# KiCad board corne-light.kicad_pcb (continued)
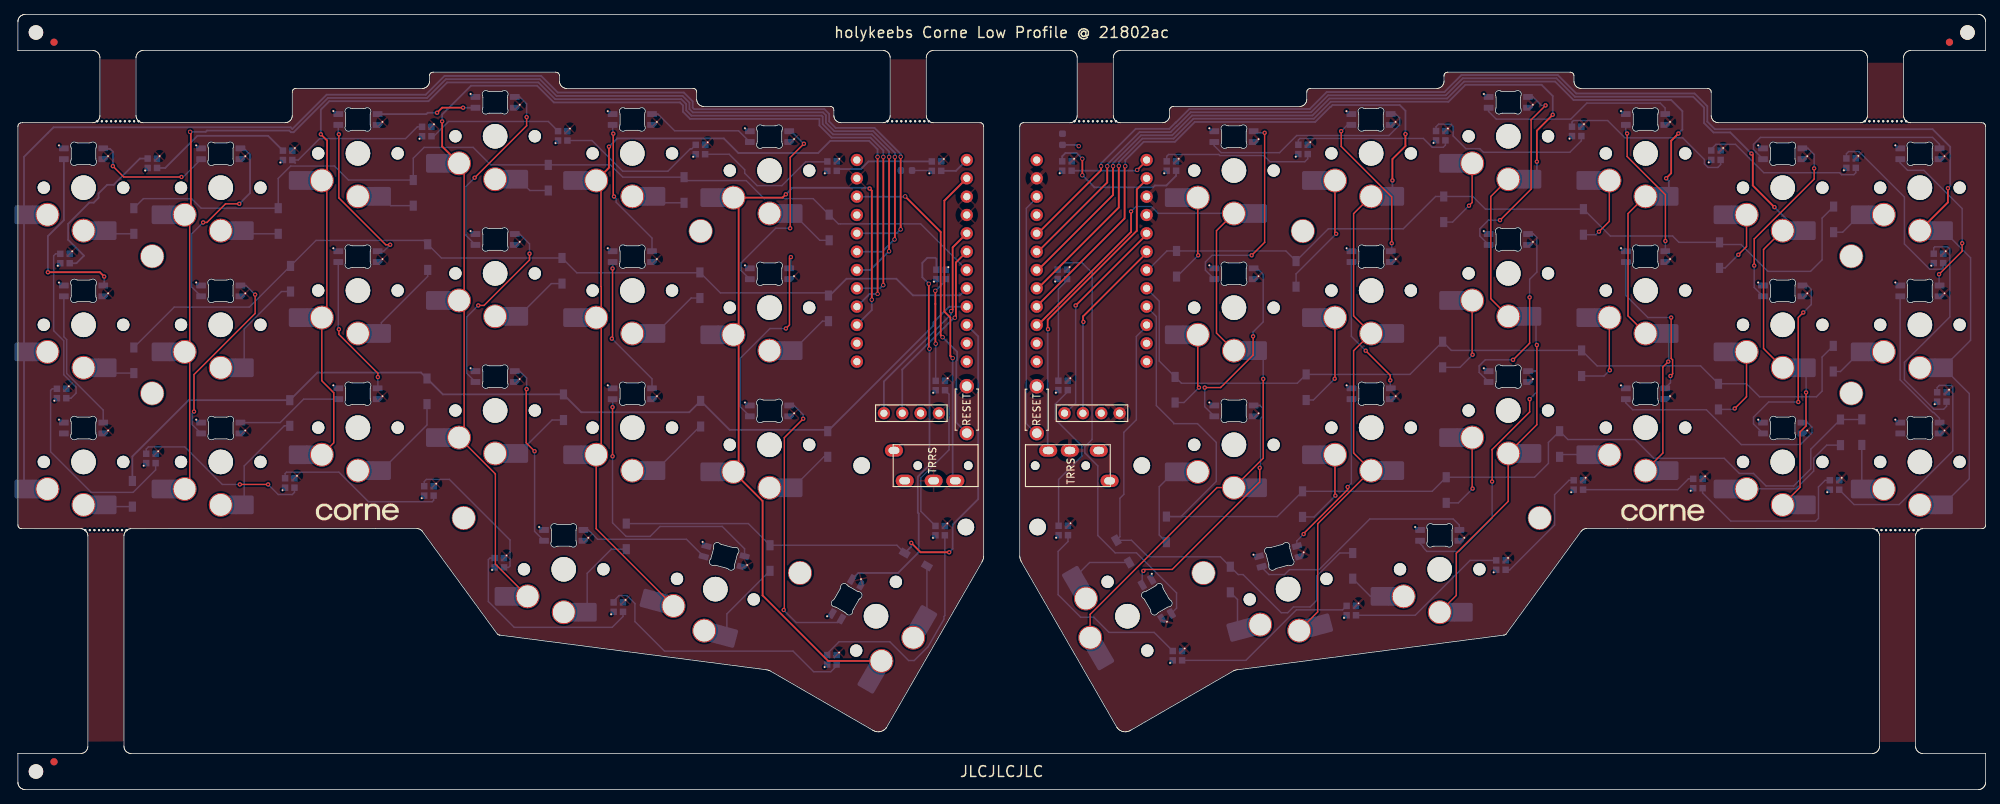
[diagram p0: board, top side]
## Routing (per net, layer and track width the routed paths; a pad name or vN(x,y) marks a point on that pad's centre or on a via; arc(x,y) is an arc through that point) (continued)
Net-(L41-DIN): length 31.8
  Bottom w0.2: 222.67,54.12 222.67,53.58 223.63,52.62 233.83,52.62 238.66,47.8 246.86,47.8 248.46,49.4 248.46,50.2 247.79,50.87 247.12,50.87
Net-(L43-DIN): length 36.9
  Top w0.2: v1(204.16,42.68) 204.16,47.12 209.36,52.32 v1(209.36,54.1)
  Bottom w0.2: 194.17,34.49 194.17,34.11 194.57,33.71 194.64,33.53 194.84,33.29 195.13,33 199.56,33 204.16,37.6 v1(204.16,42.68) ; 209.12,57.99 210.17,57.99 210.36,57.8 210.36,55.1 v1(209.36,54.1)
Net-(L44-DOUT): length 23.5
  Top w0.2: v1(178.06,35.4) 178.06,35.48 184.16,41.58 v1(184.16,41.93)
  Bottom w0.2: 184.67,54.12 184.67,42.44 v1(184.16,41.93) ; v1(178.06,35.4) 177.12,34.46 177.12,33.76
Net-(L45-DIN): length 35
  Top w0.2: v1(171.98,44.58) 171.98,42.62 159.86,30.5 156.06,30.5 v1(155.86,30.3)
  Bottom w0.2: 155.7,28.38 155.7,30.14 v1(155.86,30.3) ; 171.12,53.24 172.02,53.24 172.36,52.9 172.36,51.7 172.09,51.44 172.09,44.7 v1(171.98,44.58)
Net-(L46-DIN): length 32.1
  Bottom w0.2: 199.62,35.99 199.62,36.64 198.77,37.49 187.21,37.49 180.2,30.47 176.1,30.47 175.42,29.79 173.25,29.79 172.24,30.8 172.24,30.9

## Copper pours and planes (outline as drawn; the poured copper is in the pictures)
GND on Top, Bottom, In2.Cu: 137.25,101.18 136.05,100.88 136.55,7.28 -2.55,6.58 -3.15,6.28 -4.05,101.18
GNDA on Top, Bottom, In2.Cu: 137.06,100.7 278.46,100.7 280.36,100.5 280.56,6.6 138.76,6.6 139.06,6.4 137.46,100.8
VCC on In1.Cu: -4.85,101.38 136.55,101.38 136.15,101.28 136.85,6.18 -2.35,5.88 -3.85,5.88 -4.35,101.18
VDD on In1.Cu: 137.06,101.2 280.66,101.2 280.36,6.6 138.56,6.6 138.26,6.7 137.46,101

## Text on the board
B.Silkscreen: Corne Light v2.0 PCB Designed by foostan / modified by idank | 21802ac
F.Silkscreen: holykeebs Corne Low Profile @ 21802ac | JLCJLCJLC
